# Altium PCB Push-Pull_Inverter.PcbDoc (part 1 of 2)
Units mm, origin at the board's own origin, x right, y up, seen from the top; angles counter-clockwise.
Board outline 400.26 x 240.24 mm, 2 copper layers (Top Layer, Bottom Layer), stack 2.071 mm thick; 224 components, 92 nets, 513 pads, 291 vias.
Unrouted connection lines stored in the file: 106.
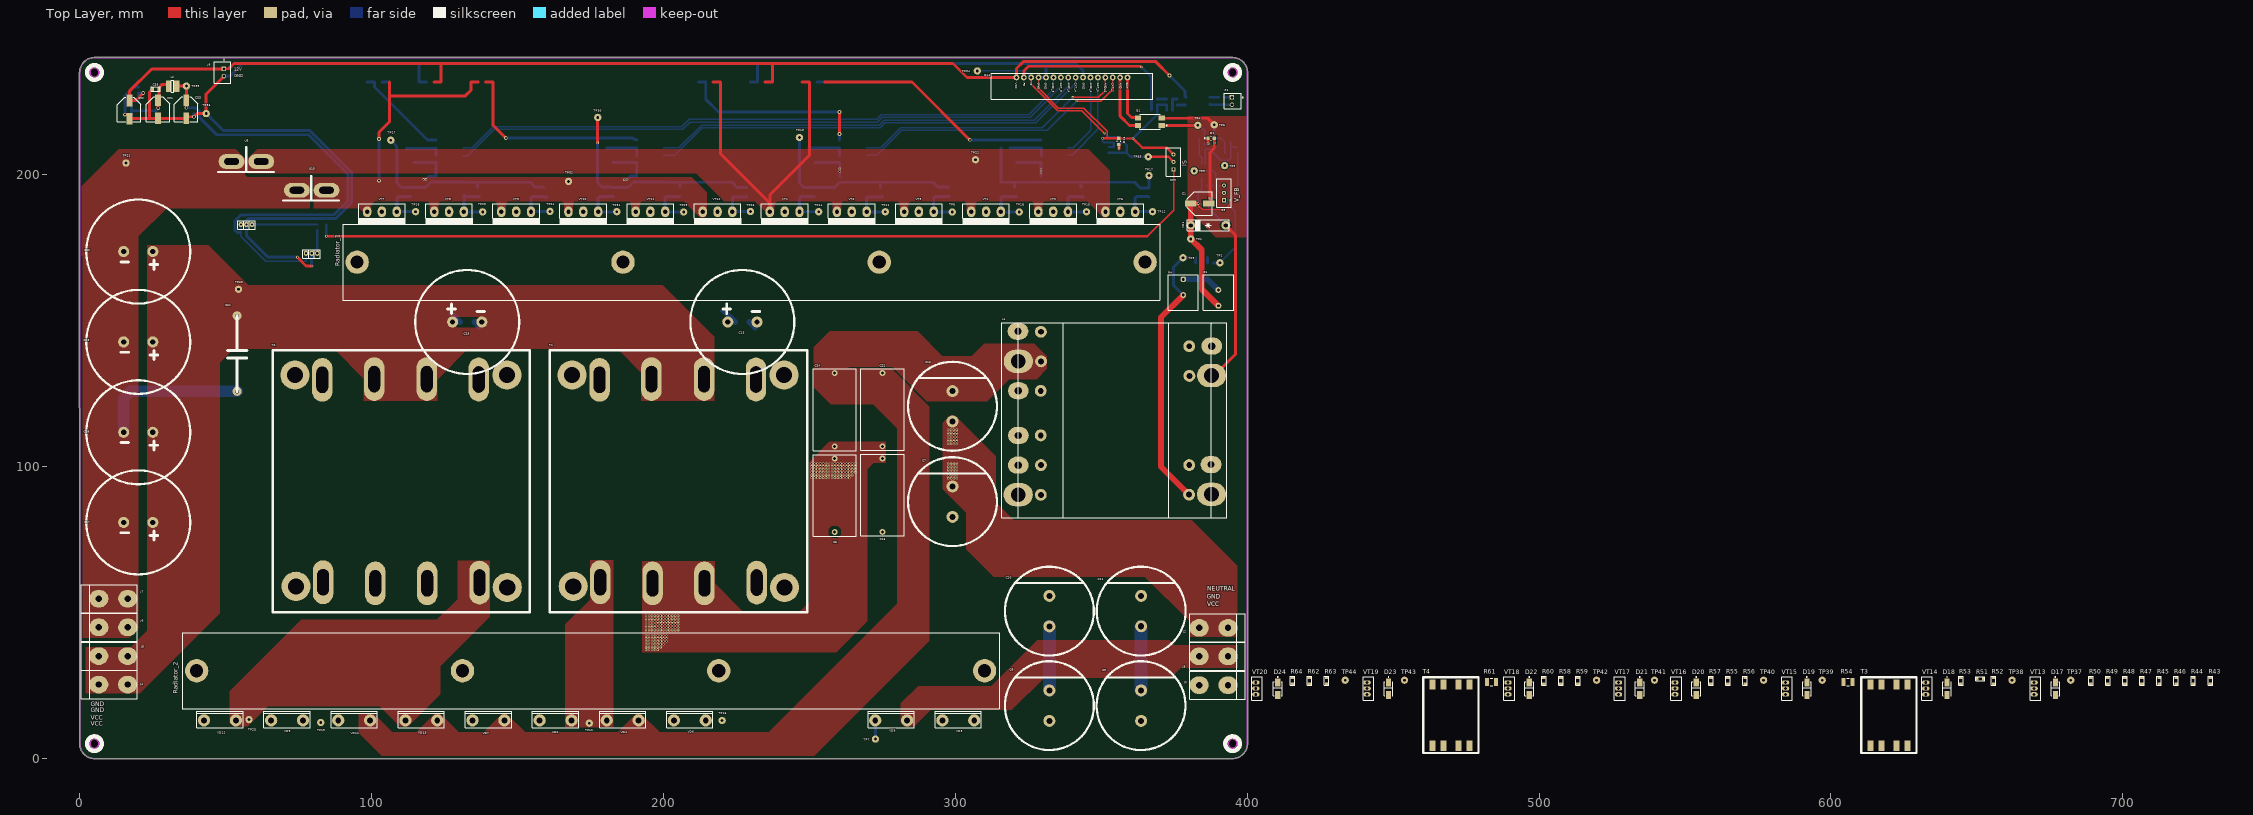
[diagram p0: Top Layer view]
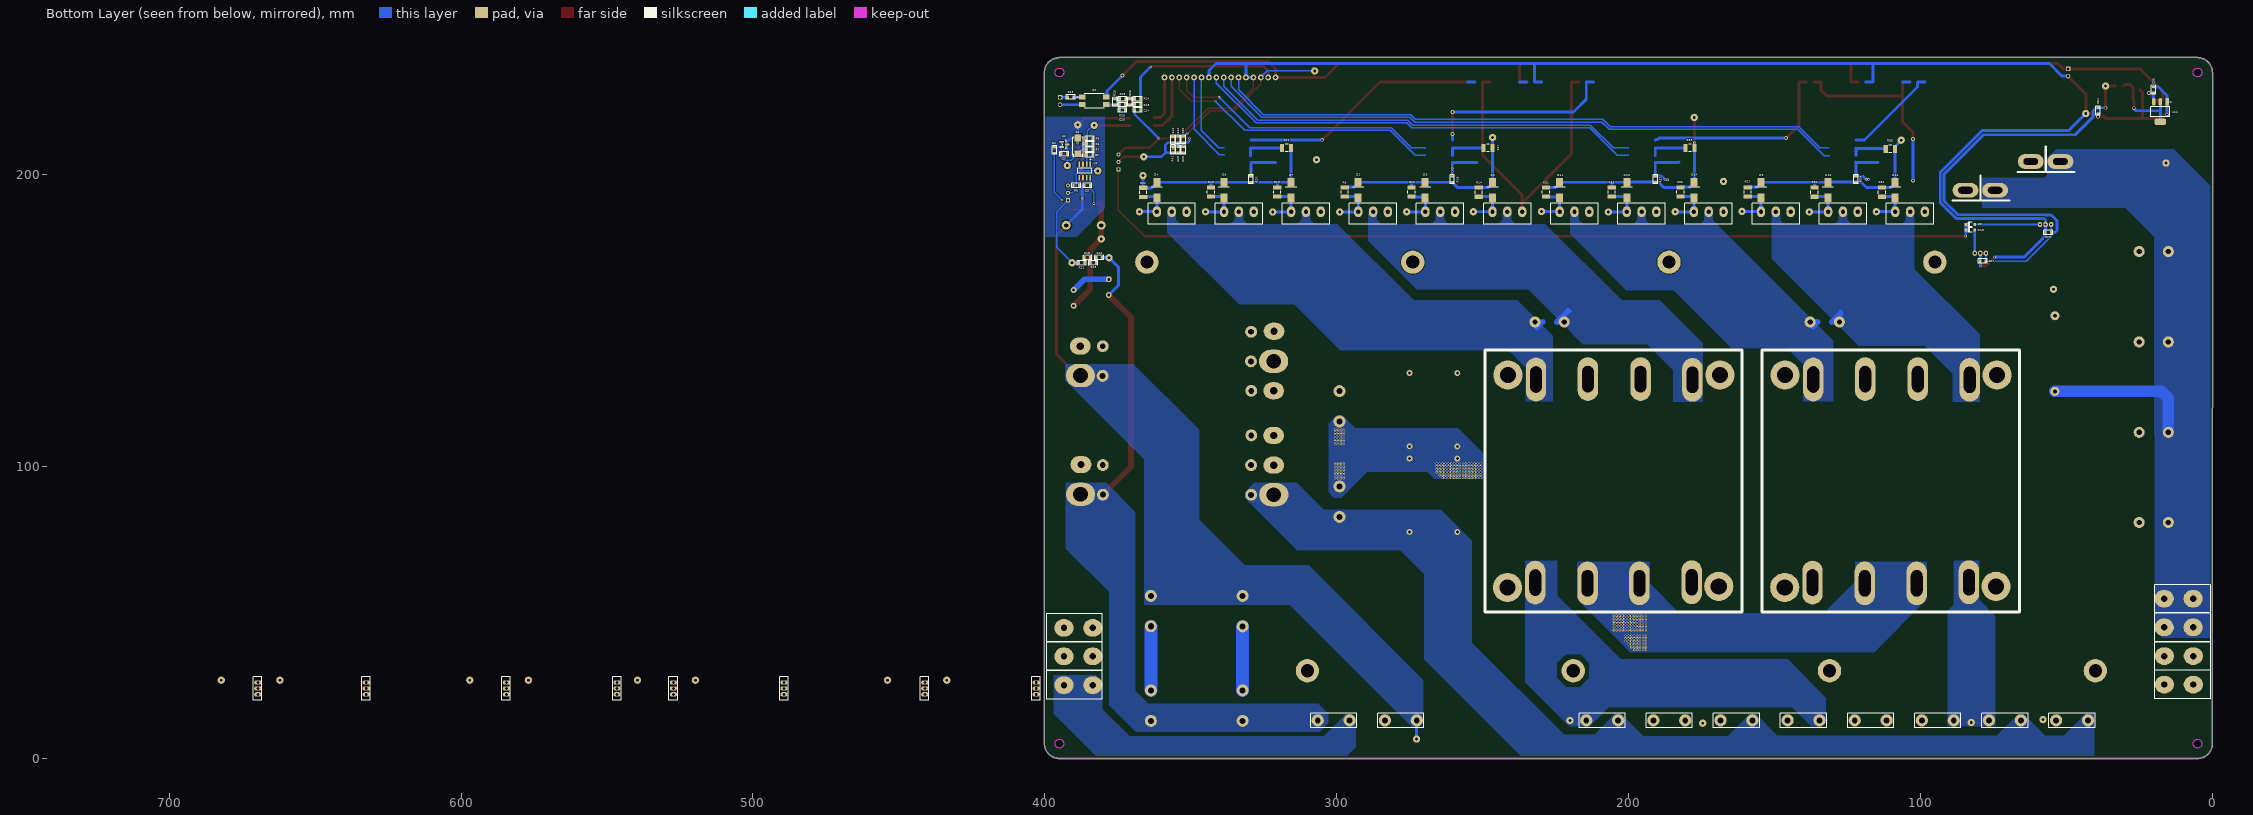
[diagram p1: Bottom Layer view, seen from below]

## Layer stack, top to bottom
Top Solder: solder mask 0.0102, Solder Resist, Dk 3.5
Top Layer: signal copper 0.0356
Dielectric 1: dielectric 2, FR-4, Dk 4.8
Bottom Layer: signal copper 0.0356
Bottom Solder: solder mask 0.0102, Solder Resist, Dk 3.5

## Board outline
-0.125,5.022 ccw(c5.002,5.022) 5.002,-0.105 395,-0.105 ccw(c395,5.022) 400.127,5.022 400.127,5.055 400.127,234.996 400.127,235 ccw(c395,235) 395.028,240.127 395,240.13 5.002,240.127 ccw(c5.002,235) -0.125,235.044 -0.133,235
cut-out: 3.5,5 ccw(c5,5) 5,3.5 ccw(c5,5) 6.5,5 ccw(c5,5) 5,6.5 ccw(c5,5)
cut-out: 3.5,235 ccw(c5,235) 5,233.5 ccw(c5,235) 6.5,235 ccw(c5,235) 5,236.5 ccw(c5,235)
cut-out: 393.5,235 ccw(c395,235) 395,233.5 ccw(c395,235) 396.5,235 ccw(c395,235) 395,236.5 ccw(c395,235)
cut-out: 393.5,5 ccw(c395,5) 395,3.5 ccw(c395,5) 396.5,5 ccw(c395,5) 395,6.5 ccw(c395,5)

## Design rules (kind name [scope] priority, off if disabled: settings)
Clearance [All] p1: gap=0.254 ignorepadtopadclearanceinfootprint=TRUE
ComponentClearance [All] p1: gap=-5 collisioncheckmode=3 verticalgap=0.254 showdistances=FALSE
DiffPairsRouting [All] p1: maxlimit=5 minlimit=0.254 mostfreqgap=0.254 toplayer_minwidth=0.381 toplayer_maxwidth=0.381 toplayer_prefwidth=0.381 bottomlayer_minwidth=0.381 bottomlayer_maxwidth=0.381 bottomlayer_prefwidth=0.381 maxuncoupledlength=12.7
Height [All] p1: minheight=0 maxheight=150 prefheight=50
MinimumSolderMaskSliver [All] p1: minsoldermaskwidth=0.15
PlaneClearance [All] p1: clearance=0.7
PlaneConnect [All] p1: planeconnectstyle=Relief reliefexpansion=0.508 reliefentries=4 reliefconductorwidth=0.254 reliefairgap=0.5
PolygonConnect [All] p1: connectstyle=Relief reliefconductorwidth=0.254 reliefentries=4 polygonreliefangle="90 Angle" airgapwidth=0.5
RoutingVias [All] p1: holewidth=0.8 width=1.27 viastyle="Through Hole" minholewidth=0.8 minwidth=1.27 maxholewidth=0.8 maxwidth=1.27
SilkToSilkClearance [All] p1: silktosilkclearance=0.15
SilkToSolderMaskClearance [IsPad] p1: minsilkscreentomaskgap=0.15 clearancetoexposedcopper=TRUE
SolderMaskExpansion [All] p1: expansion=0.102 istentingtop=FALSE
SupplyNets "Schematic Supply Nets_6" [InNet('VCC +540')] p1: voltage=0.000
SupplyNets "Schematic Supply Nets_5" [InNet('GND_I')] p2: voltage=0.000
SupplyNets "Schematic Supply Nets_4" [InNet('GND')] p3: voltage=0.000
SupplyNets "Schematic Supply Nets_3" [InNet('GND_II')] p4: voltage=0.000
SupplyNets "Schematic Supply Nets_2" [InNet('V_BAT')] p5: voltage=0.000
SupplyNets "Schematic Supply Nets_1" [InNet('+12')] p6: voltage=0.000
SupplyNets "Schematic Supply Nets" [InNet('+5V')] p7: voltage=0.000
Width [All] p1: maxlimit=7 minlimit=0.254 preferedwidth=2 minimp=50.000000 maximp=50.000000 favimp=50.000000
22 further rules are at their usual default settings.

## Components (designator, comment, footprint, x,y, rotation, side; value= is the part's Value field where it differs from the comment)
C1 "25V 330uF" CAP_SMD_Size_E 383.8,190.125 r180 top
C2 "0.1uF" CAP-0805 384.625,206.775 r0 bottom
C3 "0.1uF" CAP-0805 385.375,196.225 r180 bottom
C4 "10V_47uF" CAP-TAN-C 388.675,209.825 r90 bottom
C5 "1000pF" CAP-0805 393.3,207.125 r180 bottom
C6 "3.3uF_630V" CAP_4.7uF_630V 258.65,90.102 r270 top locked
C7 "450V_330uF" CAP_450V_330uF 299.01,87.933 r0 top
C8 "500V_470uF" CAP_450V_330uF 332.211,18.039 r0 top
C9 "500V_470uF" CAP_450V_330uF 363.618,18.039 r0 top
C10 "500V_470uF" CAP_450V_330uF 332.211,50.419 r0 top
C11 "500V_470uF" CAP_450V_330uF 363.65,50.432 r0 top
C12 "450V_330uF" CAP_450V_330uF 299.01,120.615 r0 top
C13 "CAP-POLAR" CAPPOL_35x60 227,149.5 r0 top
C14 "3.3uF_630V" CAP_4.7uF_630V 258.65,119.425 r270 top locked
C15 "CAP-POLAR" CAPPOL_35x60 132.725,149.5 r0 top
C16 "3.3uF_630V" CAP_4.7uF_630V 275,90.152 r270 top locked
C17 "CAP-POLAR" CAPPOL_35x60 20,80.825 r180 top locked
C18 "CAP-POLAR" CAPPOL_35x60 20,111.702 r180 top locked
C19 "CAP-POLAR" CAPPOL_35x60 20,142.677 r180 top locked
C20 "CAP-POLAR" CAPPOL_35x60 20,173.625 r180 top locked
C21 "CAP-NON-POLAR" CAP_1.5uf_400V 53.875,138.675 r90 top
C22 "3.3uF_630V" CAP_4.7uF_630V 275,119.475 r270 top locked
C23 "0.1uF" CAP-0805 56.125,180.125 r180 bottom
C24 "CAP-NON-POLAR" CAP-0805 368.18,222.065 r180 bottom
C25 "CAP-NON-POLAR" CAP-0805 373.38,222.04 r0 bottom
C26 "CAP-NON-POLAR" CAP-0805 370.78,224.94 r90 bottom
C27 "0.1uF" CAP-0805 78.55,170.325 r180 bottom
C28 "1uF" CAP-0805 352.511,208.475 r90 bottom
C29 "0.1uF" CAP-0805 354.286,208.475 r90 bottom
C30 "CAP-NON-POLAR" CAP-0805 352.511,212.025 r90 bottom
C31 "CAP-POLAR" CAP_SMD_Size_E 26.825,222.3 r90 top
C32 "CAP-POLAR" CAP_SMD_Size_E 16.95,222.225 r90 top
C33 "CAP-POLAR" CAP_SMD_Size_E 36.475,222.3 r90 top
C34 "0.1uF" CAP-0805 39.075,221.875 r90 bottom
C35 "0.1uF" CAP-0805 26,229.35 r0 top
C36 "0.1uF" CAP-0805 20.025,229.025 r270 bottom
D1 "RED" LED_RED 387.625,212.425 r0 top
D2 "US1G" DO-214AA 292.6,197 r270 bottom
D3 "US1G" DO-214AA 269.65,197 r270 bottom
D4 "US1G" DO-214AA 361.625,197 r270 bottom
D5 "US1G" DO-214AA 246.6,197 r270 bottom
D6 "US1G" DO-214AA 338.625,197 r270 bottom
D7 "US1G" DO-214AA 315.625,197 r270 bottom
D8 "1N4148" DIOD-SOD123-2_V 82.9,182.9 r0 bottom
D9 "US1G" DO-214AA 154.575,197 r270 bottom
D10 "US1G" DO-214AA 131.7,197 r270 bottom
D11 "US1G" DO-214AA 223.625,197 r270 bottom
D12 "US1G" DO-214AA 108.65,197 r270 bottom
D13 "US1G" DO-214AA 200.525,197 r270 bottom
D14 "US1G" DO-214AA 177.5,197 r270 bottom
D15 "1N4148" DIOD-SOD123-2_V 82.9,181 r0 bottom
D16 "151031YS06000" LED_RED 356.061,211.4 r90 top
D17 "SS14" DO-214-AC 676.898,23.802 r90 top
D18 "SS14" DO-214-AC 639.772,23.802 r90 top
D19 "SS14" DO-214-AC 591.744,23.802 r90 top
D20 "SS14" DO-214-AC 553.842,23.802 r90 top
D21 "SS14" DO-214-AC 534.516,23.802 r90 top
D22 "SS14" DO-214-AC 496.64,23.802 r90 top
D23 "SS14" DO-214-AC 448.362,23.802 r90 top
D24 "SS14" DO-214-AC 410.46,23.802 r90 top
DA1 "PWM_Controller_Half_Bridge_ONLY_TL494" PWM_Controller_Half_Bridge_ONLY_TL494 340,232 r0 top locked
J1 "MG_136_HT" Conn_MEIGAN_MG136HT 390.9,25.05 r90 top
J2 "MG_136_HT" Conn_MEIGAN_MG136HT 390.9,44.675 r90 top
J3 "MG_136_HT" Conn_MEIGAN_MG136HT 390.9,34.925 r90 top
J4 "MG_136_HT" Conn_MEIGAN_MG136HT 9,25.25 r270 top locked
J5 "MG_136_HT" Conn_MEIGAN_MG136HT 9,35 r270 top locked
J6 "MG_136_HT" Conn_MEIGAN_MG136HT 9.052,44.872 r270 top locked
J7 "MG_136_HT" Conn_MEIGAN_MG136HT 9.052,54.672 r270 top locked
J8 "B2B-XH-A" B2B-XH-A 48.85,234.975 r270 top
L1 "ETD59" Drossel 357.29,117.29 r270 top
L2 "Coil" Coil_4.5x4.5_mm 31.775,230.325 r0 top
P1 "61900211121" 61900211121 395.055,225.19 r90 top
Q1 "PC817XNNIP0F" FP-PC817XNNIP0F-MFG 366.675,218.125 r180 top
Q2 "PC817XNNIP0F" FP-PC817XNNIP0F-MFG 383.055,225.24 r180 bottom
R1 "18K" RES_5W_VERT 378.075,158.725 r270 top
R2 "18K" RES-0805 396.7,208.425 r270 bottom
R3 "5K" RES-0805 384.55,212.425 r180 bottom
R4 "18K" RES_5W_VERT 390.1,160.45 r90 top
R5 "10K" RES_Adj_3296W_Bourns 392.025,193.735 r0 top
R6 "5K" RES-0805 384.575,210.525 r0 bottom
R7 "100K" RES-0805 384.6,208.65 r180 bottom
R8 "1K" RES-0805 389.15,196.216 r180 bottom
R9 "10E" RES_SMD_1210_IPC_A 297.2,194 r90 bottom
R10 "100K" RES-0805 381.325,171.55 r180 bottom
R11 "10E" RES_SMD_1210_IPC_A 274.35,194 r90 bottom
R12 "10E" RES_SMD_1210_IPC_A 366.275,193.925 r90 bottom
R13 "100K" RES-0805 383.4,169.775 r180 bottom
R14 "10E" RES_SMD_1210_IPC_A 251.275,193.975 r90 bottom
R15 "10E" RES_SMD_1210_IPC_A 343.05,194.075 r90 bottom
R16 "4.7K" RES-0805 260.375,198.375 r270 bottom
R17 "10E" RES_SMD_1210_IPC_A 248.1,209.15 r180 bottom
R18 "100K" RES-0805 385.375,171.55 r180 bottom
R19 "10E" RES_SMD_1210_IPC_A 320.325,194.025 r90 bottom
R20 "4.7K" RES-0805 329.325,198.4 r270 bottom
R21 "10E" RES_SMD_1210_IPC_A 317.125,209.1 r180 bottom
R22 "100K" RES-0805 387.375,169.75 r180 bottom
R23 "10K" RES-0805 391.13,226.515 r180 bottom
R24 "10K" RES-0805 368.18,225.939 r180 bottom
R25 "10K" RES-0805 373.355,225.915 r180 bottom
R26 "10K" RES-0805 375.98,224.915 r90 bottom
R27 "10E" RES_SMD_1210_IPC_A 159.1,194.025 r90 bottom
R28 "10K" RES-0805 368.18,223.94 r180 bottom
R29 "10K" RES-0805 373.38,223.94 r180 bottom
R30 "10E" RES_SMD_1210_IPC_A 136.25,193.975 r90 bottom
R31 "10E" RES_SMD_1210_IPC_A 228.225,194 r90 bottom
R32 "10E" RES_SMD_1210_IPC_A 113.1,193.975 r90 bottom
R33 "10E" RES_SMD_1210_IPC_A 205.7,194 r90 bottom
R34 "4.7K" RES-0805 122.05,198.425 r270 bottom
R35 "10E" RES_SMD_1210_IPC_A 110.275,208.775 r180 bottom
R36 "10E" RES_SMD_1210_IPC_A 182.125,194.05 r90 bottom
R37 "4.7K" RES-0805 190.8,198.45 r270 bottom
R38 "10E" RES_SMD_1210_IPC_A 178.95,209.1 r180 bottom
R39 "10K" RES_Adj_3296W_Bourns 374.75,204.35 r0 top
R40 "2K" RES-0805 356.086,212 r90 bottom
R41 "10K" RES-0805 356.086,208.45 r270 bottom
R42 "30K" RES-0805 354.286,212.025 r90 bottom
R43 "4.7K" RES-0805 730.001,26.503 r90 top
R44 "4.7K" RES-0805 724.151,26.503 r90 top
R45 "4.7K" RES-0805 712.45,26.503 r90 top
R46 "4.7K" RES-0805 718.3,26.503 r90 top
R47 "4.7K" RES-0805 706.6,26.503 r90 top
R48 "4.7K" RES-0805 700.75,26.503 r90 top
R49 "4.7K" RES-0805 694.899,26.503 r90 top
R50 "4.7K" RES-0805 689.049,26.503 r90 top
R51 "1K" RES-0805 651.172,27.253 r0 top
R52 "10K***" RES-0805 655.747,26.503 r90 top
R53 "1K" RES-0805 644.547,26.503 r90 top
R54 "10E" RES_SMD_1210_IPC_A 605.895,26.128 r0 top
R55 "1K" RES-0805 564.743,26.503 r90 top
R56 "10K***" RES-0805 570.593,26.503 r90 top
R57 "1K" RES-0805 558.893,26.503 r90 top
R58 "1K" RES-0805 507.515,26.503 r90 top
R59 "10K***" RES-0805 513.365,26.503 r90 top
R60 "1K" RES-0805 501.665,26.503 r90 top
R61 "10E" RES_SMD_1210_IPC_A 483.714,26.128 r0 top
R62 "1K" RES-0805 421.361,26.503 r90 top
R63 "10K***" RES-0805 427.211,26.503 r90 top
R64 "1K" RES-0805 415.511,26.503 r90 top
Radiator_1 "Radiator_26х92х280_ТО-264х12" Radiator_26х92х280_ТО-264х12 230,170 r180 top
Radiator_2 "Radiator_26х92х280_ТО-264х12" Radiator_26х92х280_ТО-264х12 175,30 r0 top locked
T1 "Transformer_IV" "EE84AA Hor" 205,95 r180 top locked
T2 "Transformer_IV" "EE84AA Hor" 110,95 r180 top locked
T3 "RM-6" TRANS_RM6 619.921,14.802 r90 top
T4 "RM-6" TRANS_RM6 469.813,14.802 r90 top
TP1 "Test_Point_PCB" Test_Point 380.65,177.975 r90 top
TP2 "Test_Point_PCB" Test_Point 390.625,169.775 r90 top
TP3 "Test_Point_PCB" Test_Point 381.825,201.275 r180 top
TP4 "Test_Point_PCB" Test_Point 383.075,216.875 r180 top
TP5 "Test_Point_PCB" Test_Point 392.275,203.075 r90 top
TP6 "Test_Point_PCB" Test_Point 388.7,217.059 r90 top
TP7 "Test_Point_PCB" Pin_Test_Point(Pink) 272.6,6.575 r0 top
TP8 "Test_Point_PCB" Test_Point 298.925,187.2 r0 top
TP9 "Test_Point_PCB" Test_Point 378.025,171.5 r90 top
TP10 "Test_Point_PCB" Test_Point 174.575,12.025 r90 top
TP11 "Test_Point_PCB" Test_Point 275.987,187.237 r90 top
TP12 "Test_Point_PCB" Test_Point 367.575,187.3 r90 top
TP13 "Test_Point_PCB" Test_Point 246.55,212.725 r90 top
TP14 "Test_Point_PCB" Test_Point 253.15,187.275 r90 top
TP15 "Test_Point_PCB" Test_Point 344.946,187.254 r90 top
TP16 "Test_Point_PCB" Test_Point 220.075,12.95 r90 top
TP17 "Test_Point_PCB" Test_Point 366.35,199.65 r90 top
TP18 "Test_Point_PCB" Test_Point 321.875,187.2 r90 top
TP19 "Test_Point_PCB" Test_Point 82.55,12.25 r90 top
TP20 "" Test_Point 54.375,160.7 r90 top
TP21 "Test_Point_PCB" Test_Point 15.825,203.95 r90 top
TP22 "Test_Point_PCB" Pin_Test_Point(Orange) 306.925,205.1 r0 top
TP23 "Test_Point_PCB" Test_Point 57.95,13.25 r90 top
TP24 "Test_Point_PCB" Test_Point 161.075,187.4 r90 top
TP25 "Test_Point_PCB" Test_Point 138.025,187.225 r90 top
TP26 "Test_Point_PCB" Test_Point 229.775,187.35 r90 top
TP27 "Test_Point_PCB" Test_Point 106.55,211.8 r90 top
TP28 "Test_Point_PCB" Test_Point 115.05,187.3 r90 top
TP29 "Test_Point_PCB" Test_Point 206.9,187.2 r90 top
TP30 "Test_Point_PCB" Test_Point 177.45,219.6 r90 top
TP31 "Test_Point_PCB" Test_Point 184.002,187.302 r90 top
TP32 "Test_Point_PCB" Pin_Test_Point(Orange) 167.425,197.675 r0 top
TP33 "Test_Point_PCB" Test_Point 366.075,206.1 r90 top
TP34 "" Test_Point 307.525,235.525 r90 top
TP35 "Test_Point_PCB" Test_Point 36.5,230.325 r90 top
TP36 "Test_Point_PCB" Pin_Test_Point(Orange) 43.275,220.9 r0 top
TP37 "Test_Point_PCB" Test_Point 682.174,26.753 r90 top
TP38 "Test_Point_PCB" Test_Point 662.098,26.753 r90 top
TP39 "Test_Point_PCB" Test_Point 597.02,26.753 r90 top
TP40 "Test_Point_PCB" Test_Point 576.944,26.753 r90 top
TP41 "Test_Point_PCB" Test_Point 539.542,26.753 r90 top
TP42 "Test_Point_PCB" Test_Point 519.716,26.753 r90 top
TP43 "Test_Point_PCB" Test_Point 453.888,26.753 r90 top
TP44 "Test_Point_PCB" Test_Point 433.562,26.753 r90 top
U1 "LM358DR2G" FP-751-07-IPC_C 386.275,201.275 r270 bottom
U2 "" TL431_SOT-23-3(A) 393.252,210.325 r180 bottom
U5 "ACS758" ACS758-100 57.075,192.675 r0 top locked
U10 "ACS758" ACS758-100 79.425,182.825 r0 top locked
U11 "AMS1117" SOT-223 17.75,221.5 r0 bottom
VD1 "13V" DO-017AA 386.65,182.625 r0 top
VD2 "RHRG75120" TO-247-2 163,13 r0 top locked
VD3 "RHRG75120" TO-247-2 301,13 r0 top locked
VD4 "RHRG75120" TO-247-2 186,13 r0 top locked
VD5 "RHRG75120" TO-247-2 278,13 r0 top locked
VD6 "RHRG75120" TO-247-2 209,13 r0 top locked
VD7 "RHRG75120" TO-247-2 140,13 r0 top locked
VD9 "RHRG75120" TO-247-2 71,13 r0 top locked
VD11 "RHRG75120" TO-247-2 94,13 r0 top locked
VD12 "RHRG75120" TO-247-2 48,13 r0 top locked
VD13 "RHRG75120" TO-247-2 117,13 r0 top locked
VT1 "SPW47N60" TO-247-3(Infineon) 241.5,187 r180 top
VT2 "SPW47N60" TO-247-3(Infineon) 264.5,187 r180 top
VT3 "SPW47N60" TO-247-3(Infineon) 287.5,187 r180 top
VT4 "SPW47N60" TO-247-3(Infineon) 310.5,187 r180 top
VT5 "SPW47N60" TO-247-3(Infineon) 333.5,187 r180 top
VT6 "SPW47N60" TO-247-3(Infineon) 356.5,187 r180 top
VT7 "SPW47N60" TO-247-3(Infineon) 103.5,187 r180 top
VT8 "SPW47N60" TO-247-3(Infineon) 126.5,187 r180 top
VT9 "SPW47N60" TO-247-3(Infineon) 149.5,187 r180 top
VT10 "SPW47N60" TO-247-3(Infineon) 172.5,187 r180 top
VT11 "SPW47N60" TO-247-3(Infineon) 195.5,187 r180 top
VT12 "SPW47N60" TO-247-3(Infineon) 218.5,187 r180 top
VT13 "BD139(npn)" TO-126 669.623,23.927 r90 top
VT14 "BD140(pnp)" TO-126 632.496,23.927 r90 top
VT15 "BD139(npn)" TO-126 584.469,23.927 r90 top
VT16 "BD140(pnp)" TO-126 546.567,23.927 r90 top
VT17 "BD139(npn)" TO-126 527.241,23.927 r90 top
VT18 "BD140(pnp)" TO-126 489.364,23.927 r90 top
VT19 "BD139(npn)" TO-126 441.087,23.927 r90 top
VT20 "BD140(pnp)" TO-126 402.935,23.927 r90 top

## Footprints (in the part's own frame and the unit in brackets; to place one, negate y for a bottom-side part, rotate by r counter-clockwise, add the part's x,y. Pads: shape width x height; smd on the part's side, far side on the other; paste and mask are expansions set on the pad)
61900211121 [mm] "2.54mm Male Locking Header, 2p"
  rect 1.5x1.5 hole 1: 1(1.27,0.3)
  round 1.5 hole 1: 2(-1.27,0.3)
  silkscreen extent -2.71,-3.52 2.71,2.98, body extent -2.54,-2.9 2.54,2.9, height 11.53
ACS758-100 [mil]
  oval 60x70 hole 30: 1(-75,-385) 2(0,-385) 3(75,-385)
  oval 350x200 hole 90 slot 195 at 0 deg: 4(200,465) 5(-200,465)
  silkscreen extent -385,-449 370,665, body extent -276,-404 276,492, height 280
B2B-XH-A [mm]
  rect 1.55x1.55 hole 1 paste-2539.97 mask+0: 1(-1.25,0.525)
  round 1.55 hole 1 paste-2539.97 mask+0: 2(1.25,0.525)
  silkscreen extent -4.5,-2.88 3.7,2.88, body extent -3.8,-2.98 3.8,2.98, height 0.25
CAP-0805 [mm]
  rect 0.8x1.25 smd mask+0.015: 1(-1,0) 2(1,0)
  silkscreen extent -1.52,-0.76 1.52,0.76, body extent -1,-0.62 1,0.63, height 0.8
CAP-TAN-C [mm]
  rect 2.3x2.3 smd: 1(-2.7,0) 2(2.7,0)
  silkscreen extent -3.8,-1.9 3,1.9, body extent -2.9,-1.6 2.9,1.6, height 2.6
CAP_1.5uf_400V [mm]
  round 3.1 hole 1.3: 1(-12.954,0) 2(12.954,0)
  silkscreen extent -13.08,-3.43 13.08,3.3, body extent -14.25,-4.3 14.25,4.3, height 17.66
CAP_4.7uF_630V [mil]
  round 80 hole 40: 1(-495,0) 2(495,0)
  silkscreen extent -550,-293 550,293, body extent -527,-289 527,289, height 1242
CAP_450V_330uF [mm]
  round 4.1 hole 2.1: 1(0,-5.207) 2(0,5.207)
  silkscreen extent -15.22,-15.22 15.23,15.22, body extent -15.1,-15.2 15.15,15.1, height 52.45
CAP_SMD_Size_E [mm]
  rect 4x2 smd: 1(3.175,0) 2(-3.048,0)
  silkscreen extent -4.19,-3.94 4.32,4.06, body extent -4.25,-4 4.25,4, height 10.59
CAPPOL_35x60 [mm]
  round 3.8 hole 1.8: 1(-5,0) 2(5,0)
  silkscreen extent -17.81,-17.81 17.81,17.81, body extent -17.5,-17.5 17.51,17.5, height 60
Coil_4.5x4.5_mm [mm]
  rect 1.8x4 smd: 1(-1.397,0) 2(1.397,0)
  silkscreen extent -0.38,-2.03 0.38,2.03, body extent -2.07,-2.07 2.07,2.07, height 2.8
Conn_MEIGAN_MG136HT [mm]
  oval 6x6.6 hole 2.159: 1(0,7.366) 1(0,-2.54)
  silkscreen extent -4.83,-8.51 4.83,10.67, body extent -6,-8.55 5,9.95, height 30.95
DIOD-SOD123-2_V [mm] "SOD123, 2-Leads, Body 2.7x1.55mm, Height 1.45mm"
  rect 0.9x0.95 smd: 1(1.575,0) 2(-1.575,0)
  silkscreen extent -0.64,-0.83 0.64,0.77, body extent -1.88,-0.8 1.88,0.8, height 1.3
DO-017AA [mm]
  oval 3.1x3 hole 1.4: 1(-6,0) 2(6,0)
  silkscreen extent -7.2,-1.85 7.15,1.83, body extent -6.63,-1.7 6.37,1.7, height 3.4
DO-214-AC [mm]
  rect 2.65x1.75 smd paste+0 mask+0: 1(-2.15,0) 2(2.15,0)
  silkscreen extent -2.37,-1.48 4.17,1.48, body extent -3.57,-1.58 3.57,1.58, height 0.25
DO-214AA [mm]
  rect 3x2.4 smd: 1(-0.381,0) 2(4.953,0)
  silkscreen extent 1.27,-1.91 1.27,1.9, body extent -0.53,-1.85 5.07,2.1, height 2.65
Drossel [mil]
  oval 230x280 hole 100: 1(-943,1204) 3(655,1193) 5(-1143,-1411) 7(664,-1408) 9(-340,-1406) 10(263,-1405)
  round 160 hole 80: 1(-941,899) 2(-541,901) 3(662,899) 4(1062,897) 5(-1136,-1102) 6(-737,-1100) 7(663,-1101) 8(1064,-1103) 9(-339,-1104) 10(262,-1104)
  oval 314.96x393.7 hole 196.85: 2(-546,1200) 4(1057,1199) 6(-737,-1406) 8(1061,-1408)
  silkscreen extent -1259,-1630 1376,1405, body extent -1251,-1399 1383,1203, height 2024
"EE84AA Hor" [mm]
  oval 7x15 hole 4 slot 9 at 90 deg: 1(-26.67,-34.798) 2(-8.89,-34.925) 3(9.144,-34.925) 4(26.924,-34.671) 5(26.67,34.671) 6(8.763,35.052) 7(-9.017,35.052) 8(-26.924,34.798)
  round 10 hole 5.5: 9(-36.449,36.449) 10(35.941,36.068) 11(-36.322,-36.322) 12(36.322,-36.322)
  silkscreen extent -44.2,-44.83 43.94,44.96, body extent -43.93,-44.7 43.93,44.7, height 66.25
FP-751-07-IPC_C [mm]
  rect 1.874x0.543 smd paste+0 mask+0: 1(-2.316,1.905)
  rrect100% 1.874x0.543 smd paste+0 mask+0: 2(-2.316,0.635) 3(-2.316,-0.635) 4(-2.316,-1.905) 5(2.316,-1.905) 6(2.316,-0.635) 7(2.316,0.635) 8(2.316,1.905)
  silkscreen extent -3.98,-2.45 0.88,2.45, body extent -3,-2.45 3,2.45, height 1.75
FP-PC817XNNIP0F-MFG [mm]
  rect 2.2x1.7 smd paste+0 mask+0: 1(-4.1,1.27) 2(-4.1,-1.27) 3(4.1,-1.27) 4(4.1,1.27)
  silkscreen extent -5.88,-2.54 3.5,2.54, body extent -5,-2.29 5,2.29, height 4.6
LED_RED [mm]
  rect 1.1x1.2 smd paste+0 mask+0: 1(-1.05,0) 2(1.05,0)
  silkscreen extent -2.27,-0.67 0.13,0.67, body extent -1,-0.63 1,0.63, height 0.8
Pin_Test_Point(Orange) [mm]
  round 2.5 hole 0.95: 1(0,0)
  body extent -1.3,-1.78 1.3,1.78, height 6.93
Pin_Test_Point(Pink) [mm]
  round 2.5 hole 0.95: 1(0,0)
  body extent -1.3,-1.78 1.3,1.78, height 6.93
PWM_Controller_Half_Bridge_ONLY_TL494 [mm]
  round 2 hole 1: 1(-19.1,1.3) 2(-16.56,1.3) 3(-14.02,1.3) 4(-11.48,1.3) 5(-8.94,1.3) 6(-6.4,1.3) 7(-3.86,1.3) 8(-1.32,1.3) 9(1.22,1.3) 10(3.76,1.3) 11(6.3,1.3) 12(8.84,1.3) 13(11.38,1.3) 14(13.92,1.3) 15(16.46,1.3) 16(19,1.3)
  silkscreen extent -27.7,-6.1 27.7,2.7, body extent -27.63,-6.04 27.63,2.58, height 33.13
Radiator_26х92х280_ТО-264х12 [mm]
  round 8 hole 4.5: 1(-135,0) 1(-43.9,0) 1(43.9,0) 1(135,0)
  silkscreen extent -140,-13 140,13, body extent -140,-13 140,13, height 94.55
RES-0805 [mm]
  rect 0.8x1.25 smd mask+0.015: 1(-1,0) 2(1,0)
  silkscreen extent -1.52,-0.76 1.52,0.76, body extent -1,-0.62 1,0.63, height 0.6
RES_5W_VERT [mm]
  round 2 hole 1: 1(-5.4,0) 2(0,0)
  silkscreen extent -6.9,-5.2 5.2,5.2, body extent -5.81,-5 5,5, height 23.4
RES_Adj_3296W_Bourns [mm]
  rect 1.4x1.4 hole 0.75 paste-2539.97 mask+0: 1(0,-2.54)
  round 1.4 hole 0.75 paste-2539.97 mask+0: 2(0,0) 3(0,2.54)
  silkscreen extent -2.49,-4.89 2.47,4.89, body extent -2.59,-4.99 2.57,4.99, height 0.25
RES_SMD_1210_IPC_A [mm]
  rect 1.405x2.806 smd paste+0 mask+0: 1(-1.551,0) 2(1.551,0)
  silkscreen extent -0.47,-1.25 0.47,1.25, body extent -1.6,-1.25 1.6,1.25, height 0.6
SOT-223 [mm]
  rect 1.2x2.6 smd paste+0 mask+0: 1(-2.29,-3.395)
  rrect100% 1.2x2.6 smd paste+0 mask+0: 2(0,-3.395) 3(2.29,-3.395)
  rrect59% 4x2.2 smd paste+0 mask+0: 2(0,3.395)
  silkscreen extent -3.62,-3.52 3.25,1.75, body extent -3.25,-3.53 3.25,3.53, height 1.8
Test_Point [mm]
  round 2.5 hole 0.95: 1(0,0)
TL431_SOT-23-3(A) [mm]
  rect 1.659x0.627 smd paste+0 mask+0: 1(-0.977,0.915)
  rrect100% 1.659x0.627 smd paste+0 mask+0: 2(-0.977,-0.915) 3(0.977,0)
  silkscreen extent -0.65,-1.45 0.65,1.45, body extent -1.2,-1.45 1.2,1.45, height 1.1
TO-126 [mm]
  oval 1.5x2.524 hole 1: 1(-2.032,0) 2(0,0) 3(2.032,0)
  silkscreen extent -4.06,-2.29 4.06,1.4, body extent -4,-2.25 4,1.35, height 15.5
TO-247-2 [mm]
  round 4.2 hole 2.032: 1(-5.461,0) 3(5.461,0)
  silkscreen extent -7.94,-2.48 7.94,3.17, body extent -7.9,-2.3 7.9,2.71, height 35.4
TO-247-3(Infineon) [mm]
  oval 2.9x3.7 hole 1.5: 1(-5.08,-0.254) 2(0,-0.254) 3(5.08,-0.254)
  silkscreen extent -8.13,-3.05 8.13,3.94, body extent -8,-3 8,1.91, height 35.4
TRANS_RM6 [mm]
  rect 3.5x2 smd: 1(-10.5,6.3) 2(-10.5,2.54) 3(-10.5,-2.54) 4(-10.5,-6.3) 5(10.5,-6.3) 6(10.5,-2.54) 7(10.5,2.54) 8(10.5,6.3)
  silkscreen extent -12.95,-9.4 12.95,9.53, body extent -11,-9.08 11,9.08, height 12.68

## Part data
C1 C4: library part CAP_POL_SMD
C2 C3 C5 C6 C14 C16 C22 C23 C27 C28 C29 C34 C35 C36: library part CAP-NON-POLAR
C7 C8 C9 C10 C11 C12: library part CAP_450V_330uF
D1: library part LED, "WURTH ELEKTRONIK - 151031YS06000 - LED, Yellow, Through Hole, T-1 (3mm), 30 mA, 2 V, 590 nm", Manufacturer_Name="Wurth Elektronik", Manufacturer_Part_Number=151031YS06000, Mouser Part Number=710-151031YS06000, Datasheet Link=https://katalog.we-online.de/led/datasheet/151031YS06000.pdf, Geometry.Height=5.5mm, Mouser Price/Stock=https://www.mouser.co.uk/ProductDetail/Wurth-Elektronik/151031YS06000?qs=LlUlMxKIyB3xSYYW%252BcuBiQ%3D%3D
D16: library part LED, "WURTH ELEKTRONIK - 151031YS06000 - LED, Yellow, Through Hole, T-1 (3mm), 30 mA, 2 V, 590 nm", Manufacturer_Name="Wurth Elektronik", Mouser Part Number=710-151031YS06000, Datasheet Link=https://katalog.we-online.de/led/datasheet/151031YS06000.pdf, Geometry.Height=5.5mm, Manufacturer_Part_Number=151031YS06000, Mouser Price/Stock=https://www.mouser.co.uk/ProductDetail/Wurth-Elektronik/151031YS06000?qs=LlUlMxKIyB3xSYYW%252BcuBiQ%3D%3D
J1 J2 J3 J4 J5 J6 J7: library part Connector_MEIGAN_MG136HT
L1: library part DROSSEL, "Drosel", Manufacturer="Wuerth Elektronik", PartNumber=750311457, ComponentLink1Description="Manufacturer URL", ComponentLink1URL=http://www.we-online.com, ComponentLink2Description=Datasheet, ComponentLink2URL=http://katalog.we-online.de/pbs/datasheet/750311457.pdf, PackageReference=EP13, Ui=36V
P1: "WR-WTB THT Male Vertical Locking Header, pitch 2.54mm, 2p", Contact Resistance=20mOhm, Operating Temperature="-40 to +105degC", Rated Current=3A, Withstanding Voltage=1000VAC, Working Voltage=250VAC, ComponentLink1Description=Manufacturer, ComponentLink1URL=http://www.we-online.de, ComponentLink2Description=Datasheet, ComponentLink2URL=https://www.we-online.com/catalog/datasheet/61900211121.pdf, Gender=Male, Mounting Technology=THT, Packaging=Bag, Part Number=61900211121, Pin Number=2, Pitch=2.54mm, Published Date="January 2020", Publisher="Wurth Elektronik", Type=Vertical
Q1 Q2: library part CMP-65434-000005-1, "OPTOISOLATOR 5KV TRANS 4SMD", Case/Package=SMD/SMT, Collector Emitter Saturation Voltage=200mV, Collector Emitter Voltage (VCEO)=80V, Forward Current=50mA, Forward Voltage=1.4V, Isolation Voltage=5kV, Max Operating Temperature=100°C, Max Power Dissipation=200mW, Min Operating Temperature=-30°C, Output Current per Channel=30mA, Package Quantity=2000, Reverse Breakdown Voltage=6V, Collector-emitter Voltage-Max=200mV, Contact Plating=Copper, Fall Time=18000ns, Input Current=50mA, Input Type=DC, Isolation Voltage-Max=5kV, Lead Free="Lead Free", Max Collector Current=50mA, Max Input Current=50mA, Max Output Voltage=80V, Mount="Surface Mount", Number of Channels=1, Number of Elements=1, Number of Pins=4, Output Voltage=80V, Packaging="Tape and Reel", Power Dissipation=200mW, Radiation Hardening=No, Rise Time=18000ns, RoHS Compliant=Yes
R1 R2 R3 R4 R6 R7 R8 R10 R13 R16 R18 R20 R22 R23 R24 R25 R26 R28 R29 R34 R37 R40 R41 R42 R43 R44 R45 R46 R47 R48 R49 R50 R51 R53 R55 R57 R58 R60 R62 R64: library part RES-CONST
R5 R39: library part RES_Adj
R9 R11 R12 R14 R15 R17 R19 R21 R27 R30 R31 R32 R33 R35 R36 R38 R54 R61: library part RES_1210
R52 R56 R59 R63: library part RES-CONST, "10K"
T3 T4: library part RM_6_12-12-18-18
TP1 TP2 TP3 TP4 TP5 TP6 TP7 TP8 TP9 TP10 TP11 TP12 TP13 TP14 TP15 TP16 TP17 TP18 TP19 TP20 TP21 TP22 TP23 TP24 TP25 TP26 TP27 TP28 TP29 TP30 TP31 TP32 TP33 TP34 TP35 TP36 TP37 TP38 TP39 TP40 TP41 TP42 TP43 TP44: library part TP_PCB?, "Test_Point"
U1: library part CMP-1310-00291-2, "IC OPAMP GP 2 CIRCUIT 8SOIC", Case/Package=SOIC, Dual Supply Voltage=9V, Input Bias Current=250nA, Input Offset Voltage (Vos)=7mV, Max Dual Supply Voltage=16V, Max Operating Temperature=70°C, Max Supply Voltage=32V, Min Dual Supply Voltage=1.5V, Min Operating Temperature=0°C, Min Supply Voltage=3V, Nominal Supply Current=1.2mA, Operating Supply Current=1.5mA, Output Current=40mA, Package Quantity=2500, Power Supply Rejection Ratio (PSRR)=65dB, Voltage Gain=100dB, Bandwidth=1MHz, Common Mode Rejection Ratio=65dB, Contact Plating=Tin, Gain Bandwidth Product=1MHz, Halogen Free="Halogen Free", Height=1.5mm, Lead Free="Lead Free", Length=5mm, Number of Amplifiers=2, Number of Channels=2, Number of Circuits=2, Number of Elements=2, Number of Pins=8, Operating Supply Voltage=16V, Output Current per Channel=40mA, Packaging="Tape and Reel", Radiation Hardening=No, REACH SVHC="No SVHC", Slew Rate=0.6V/µs, Width=4mm
U2: library part TL431_SOT-23-3, "TL431_SOT-23-3"
VD1: library part ZENER
VD2 VD3 VD4 VD5 VD6 VD7 VD9 VD11 VD12 VD13: library part MUR4060
VT13 VT15 VT17 VT19: library part BD139
VT14 VT16 VT18 VT20: library part BD140

## Via types
v1: diameter 0.8, hole 0.4, Top Layer to Bottom Layer, 279 vias
v2: diameter 1.27, hole 0.711, Top Layer to Bottom Layer, 12 vias

## Nets (pads, with @x,y where several pads share a name; then routed paths per layer and width w, separated by ;. In a path a pad name is that pad's centre, name@x,y a point inside that pad or via, vN(x,y) a via of type N, cw(c..) or ccw(c..) an arc to the next point about the centre after c; other vN are vias at no path point)
+5V: C23.2 C27.2 C33.1 C34.2 L2.2 TP35.1 U5.1 U10.1 | length 165.6
  Top Layer w1: L2.2@33.172,230.325 TP35.1@36.5,230.325 36.475,230.3 C33.1@36.475,225.475 36.488,225.462 36.488,222.913 v2(36.5,222.9)
  Bottom Layer w0.5: C23.2@55.125,180.1 55.125,178.825 63.625,170.325 C27.2@77.55,170.325 77.55,173.016 U10.1@77.52,173.046 ; C23.2@55.125,180.125 55.125,182.851 U5.1@55.17,182.896
  Bottom Layer w1: v2(36.5,222.9) 39.05,222.9 C34.2@39.075,222.875 39.65,222.875 40.875,221.65 40.875,219.675 46.9,213.65 78.35,213.65 91.85,200.15 91.85,191 87.104,186.254 57.141,186.254 57.037,186.15 55.15,186.15 53.2,184.2 53.2,180.85 53.881,180.169 55.081,180.169 C23.2@55.125,180.125
+12: C32.1 C36.2 D17.2 D19.2 D21.2 D23.2 DA1.1 J8.1 Q2.4 U11.3 VT13.2 VT15.2 VT17.2 VT19.2 | length 412.2
  Top Layer w1: v2(21.725,227.95) 19.175,225.4 C32.1@16.95,225.4 16.95,228.525 24.65,236.225 J8.1@49.375,236.225 49.423,236.273 50.998,236.273 52.775,238.05 124.076,238.05 ; 121.275,231.706 123.815,231.706 123.815,237.789 124.076,238.05 ; 234.78,231.706 237.32,231.706 237.32,237.995 237.375,238.05 ; v2(373.4,233.975) 368.675,238.7 323.275,238.7 320.9,236.325 DA1.1@320.9,233.3 303.95,233.3 299.2,238.05 237.375,238.05 ; 124.076,238.05 237.375,238.05
  Bottom Layer w1: U11.3@20.04,224.895 C36.2@20.04,228.01 ; C36.2@20.1,227.95 v2(21.725,227.95) ; 234.78,231.706 237.32,231.706 ; v2(373.4,233.975) 378.705,228.67 378.705,226.76 Q2.4@378.955,226.51
GND: C23.1 C24.1 C25.1 C26.1 C27.1 C28.2 C29.2 C30.1 C31.2 C32.2 C33.2 C34.1 C35.1 C36.1 D16.2 D18.1 D20.1 D22.1 D24.1 DA1.4 DA1.5 DA1.10 J8.2 R28.1 R29.2 R39.3 R42.1 R53.1 R57.1 R60.1 R64.1 TP36.1 U5.2 U10.2 U11.1 VT14.2 VT16.2 VT18.2 VT20.2 | length 627.9
  Top Layer w0.5: DA1.4@328.52,233.3 328.52,229.505 335.25,222.775 344.05,222.775 352.004,214.821 352.004,213.826 352,213.822 352,212.45
  Top Layer w0.8: v1(350.4,212.45) 352,212.45 D16.2@356.061,212.45 356.161,212.35 v1(360.9,212.35) 364,209.25 372.39,209.25 R39.3@374.75,206.89
  Top Layer w1: v2(15.425,220.552) 16.45,220.552 16.95,220.052 C32.2@16.95,219.177 ; C32.2@17,219.1 17.152,219.252 23.8,219.252 ; C35.1@24.9,229.225 23.8,228.125 23.8,219.252 ; J8.2@49.375,233.725 43.275,227.625 TP36.1@43.275,220.9 40.15,220.9 v2(39.075,219.825) 36.975,219.825 36.475,219.325 C33.2@36.475,219.252 C31.2@26.825,219.252 23.8,219.252 ; v1(74.525,171.7) 77.525,168.7 v1(79.475,168.7)
  Bottom Layer w0.8: v1(350.4,212.45) 350.4,211.625 351,211.025 C30.1@352.511,211.025 R42.1@354.286,211.025 C29.2@354.286,209.475 C28.2@352.511,209.475 ; v1(360.9,212.35) 369.18,220.63 R28.1@369.18,223.94 C26.1@370.78,223.94 R29.2@372.38,223.94 C25.1@372.38,222.04
  Bottom Layer w1: v2@15.475,220.475 15.46,220.49 U11.1@15.46,224.895 15.45,224.905 15.45,227.1 18.375,230.025 C36.1@20.025,230.025 ; v2(39.075,219.825) C34.1@39.075,220.875 ; TP36.1@43.275,220.9 49,215.175 78.7,215.175 93.175,200.7 93.175,190.477 87.698,185 57.661,185 57.075,184.414 U5.2@57.075,182.896 57.125,182.846 C23.1@57.125,180.125 57.125,179.05 64.475,171.7 v1(74.525,171.7) ; J8.2@49.375,233.725 51.45,233.725 55.775,238.05 116.254,238.05 ; U10.2@79.425,173.046 79.425,168.75 v1(79.475,168.7) ; 118.735,231.706 116.195,231.706 116.195,237.991 116.254,238.05 ; 229.7,231.706 232.24,231.706 232.24,237.839 232.451,238.05 ; DA1.4@328.52,233.3 DA1.5@331.05,233.3 ; DA1.5@331.06,233.3 DA1.5@331.05,233.3 ; DA1.10@343.76,233.3 343.76,235.64 341.35,238.05 331.05,238.05 ; 116.254,238.05 232.451,238.05 ; 232.451,238.05 331.05,238.05 ; DA1.5@331.05,233.3 331.05,238.05
GND_I: C13.2 C15.2 C17.2 C18.2 C19.2 C20.2 C21.1 J6.1 J7.1 TP21.1 U5.5 U10.5 | length 51.5
  Bottom Layer w4: C18.2@15.047,111.702 15.047,123.378 17.39,125.721 C21.1@53.875,125.721
GND_II: C1.2 C3.1 C4.2 C5.2 C10.2 C11.2 D1.2 L1.2 Q1.2 R8.2 TP6.1 TP7.1 U1.4 U2.3 VD1.2 VD5.1 | length 137
  Top Layer w0.5: C1.2@386.848,190.125 C1.2@387.2,190.477 ; D1.2@388.675,212.425 D1.2@388.7,212.4
  Top Layer w1: Q1.2@371.12,219.3 386.459,219.3 ; 386.475,219.3 386.459,219.3 ; C1.2@387.2,190.477 v1(387.2,191.95) 387.2,207.575 388.7,209.075 v1(388.7,210.825) D1.2@388.7,212.4 ; L1.2@387.77,131.159 388.734,131.159 395.925,138.35 395.925,179.35 VD1.2@392.65,182.625 ; TP6.1@388.7,217.059 386.459,219.3
  Bottom Layer w0.5: VD5.1@272.539,13 VD5.1@272.6,12.939 ; C4.2@388.7,212.5 C4.2@388.675,212.525 ; C4.2@388.7,212.55 C4.2@388.675,212.525 ; C5.2@392.3,207.125 392.3,210.3 U2.3@392.275,210.325 392.275,211.225 390.975,212.525 C4.2@388.675,212.525
  Bottom Layer w0.8: C3.1@386.375,196.225 387.187,196.225 ; v1@387.187,191.962 387.187,196.225 ; v1(387.2,191.95) 387.2,188.075 VD1.2@392.65,182.625 ; R8.2@388,196.225 387.187,196.225
  Bottom Layer w1: TP7.1@272.6,6.575 VD5.1@272.6,12.939 ; v1(388.7,210.825) C4.2@388.7,212.5 ; C4.2@388.7,212.55 TP6.1@388.7,217.059 TP6.1@388.7,217.275
NetC1_1: C1.1 C3.2 R2.2 R4.1 TP1.1 U1.8 VD1.1 | length 82
  Top Layer w0.5: v1(383.2,190.05) 383.2,189.4 384.7,187.9 391.975,187.9 393.975,189.9 v1(393.975,191.275)
  Top Layer w1: C1.1@382,190.075 382.025,190.05 v1(383.2,190.05)
  Top Layer w2: C1.1@380.625,190.125 C1.1@380.65,190.125 ; TP1.1@380.65,177.975 VD1.1@380.65,182.625 C1.1@380.65,190.125 ; TP1.1@380.746,177.879 384.4,174.225 384.4,160.75 R4.1@390.1,155.05 ; C1.1@381.625,190.125 C1.1@380.65,190.125
  Bottom Layer w0.5: v1(383.2,190.05) 383.2,194 384.357,195.157 384.357,196.207 C3.2@384.375,196.225 384.375,198.954 U1.8@384.37,198.959 ; v1(393.975,191.275) 396.7,194 R2.2@396.7,207.425
NetC2_1: C2.1 R3.2 R6.1 R7.2 U1.1 | length 9.2
  Bottom Layer w0.5: R3.2@383.55,212.425 383.55,206.85 C2.1@383.625,206.775 383.625,206.55 384.37,205.805 U1.1@384.37,203.591
NetC2_2: C2.2 C4.1 C5.1 R2.1 R7.1 TP5.1 U1.2 U2.1 U2.2 | length 25.9
  Bottom Layer w0.5: C2.2@385.625,206.775 C2.2@385.625,207.15 ; U1.2@385.64,203.591 C2.2@385.64,206.775 ; C2.2@385.64,207.109 385.64,208.61 R7.1@385.6,208.65 387.15,208.65 C4.1@388.675,207.125 390.85,204.95 392.25,204.95 ; TP5.1@392.25,202.825 392.25,204.95 ; U2.2@394.228,209.41 U2.2@394.3,209.41 ; U2.1@394.228,211.24 394.3,211.168 U2.2@394.3,209.41 ; R2.1@396.55,209.325 R2.1@396.55,209.35 ; R2.1@396.7,209.45 396.66,209.41 U2.2@394.3,209.41 ; 392.25,204.95 393.6,204.95 394.282,205.632 394.282,207.107 C5.1@394.3,207.125 U2.2@394.3,209.41